# Altium PCB Digitalizador_RPi.PcbDoc (part 2 of 3)
Units mm, origin at the board's own origin, x right, y up, seen from the top; angles counter-clockwise.
Board outline 147 x 95 mm, 2 copper layers (Top Layer, Bottom Layer); 227 components, 173 nets, 747 pads, 172 vias.
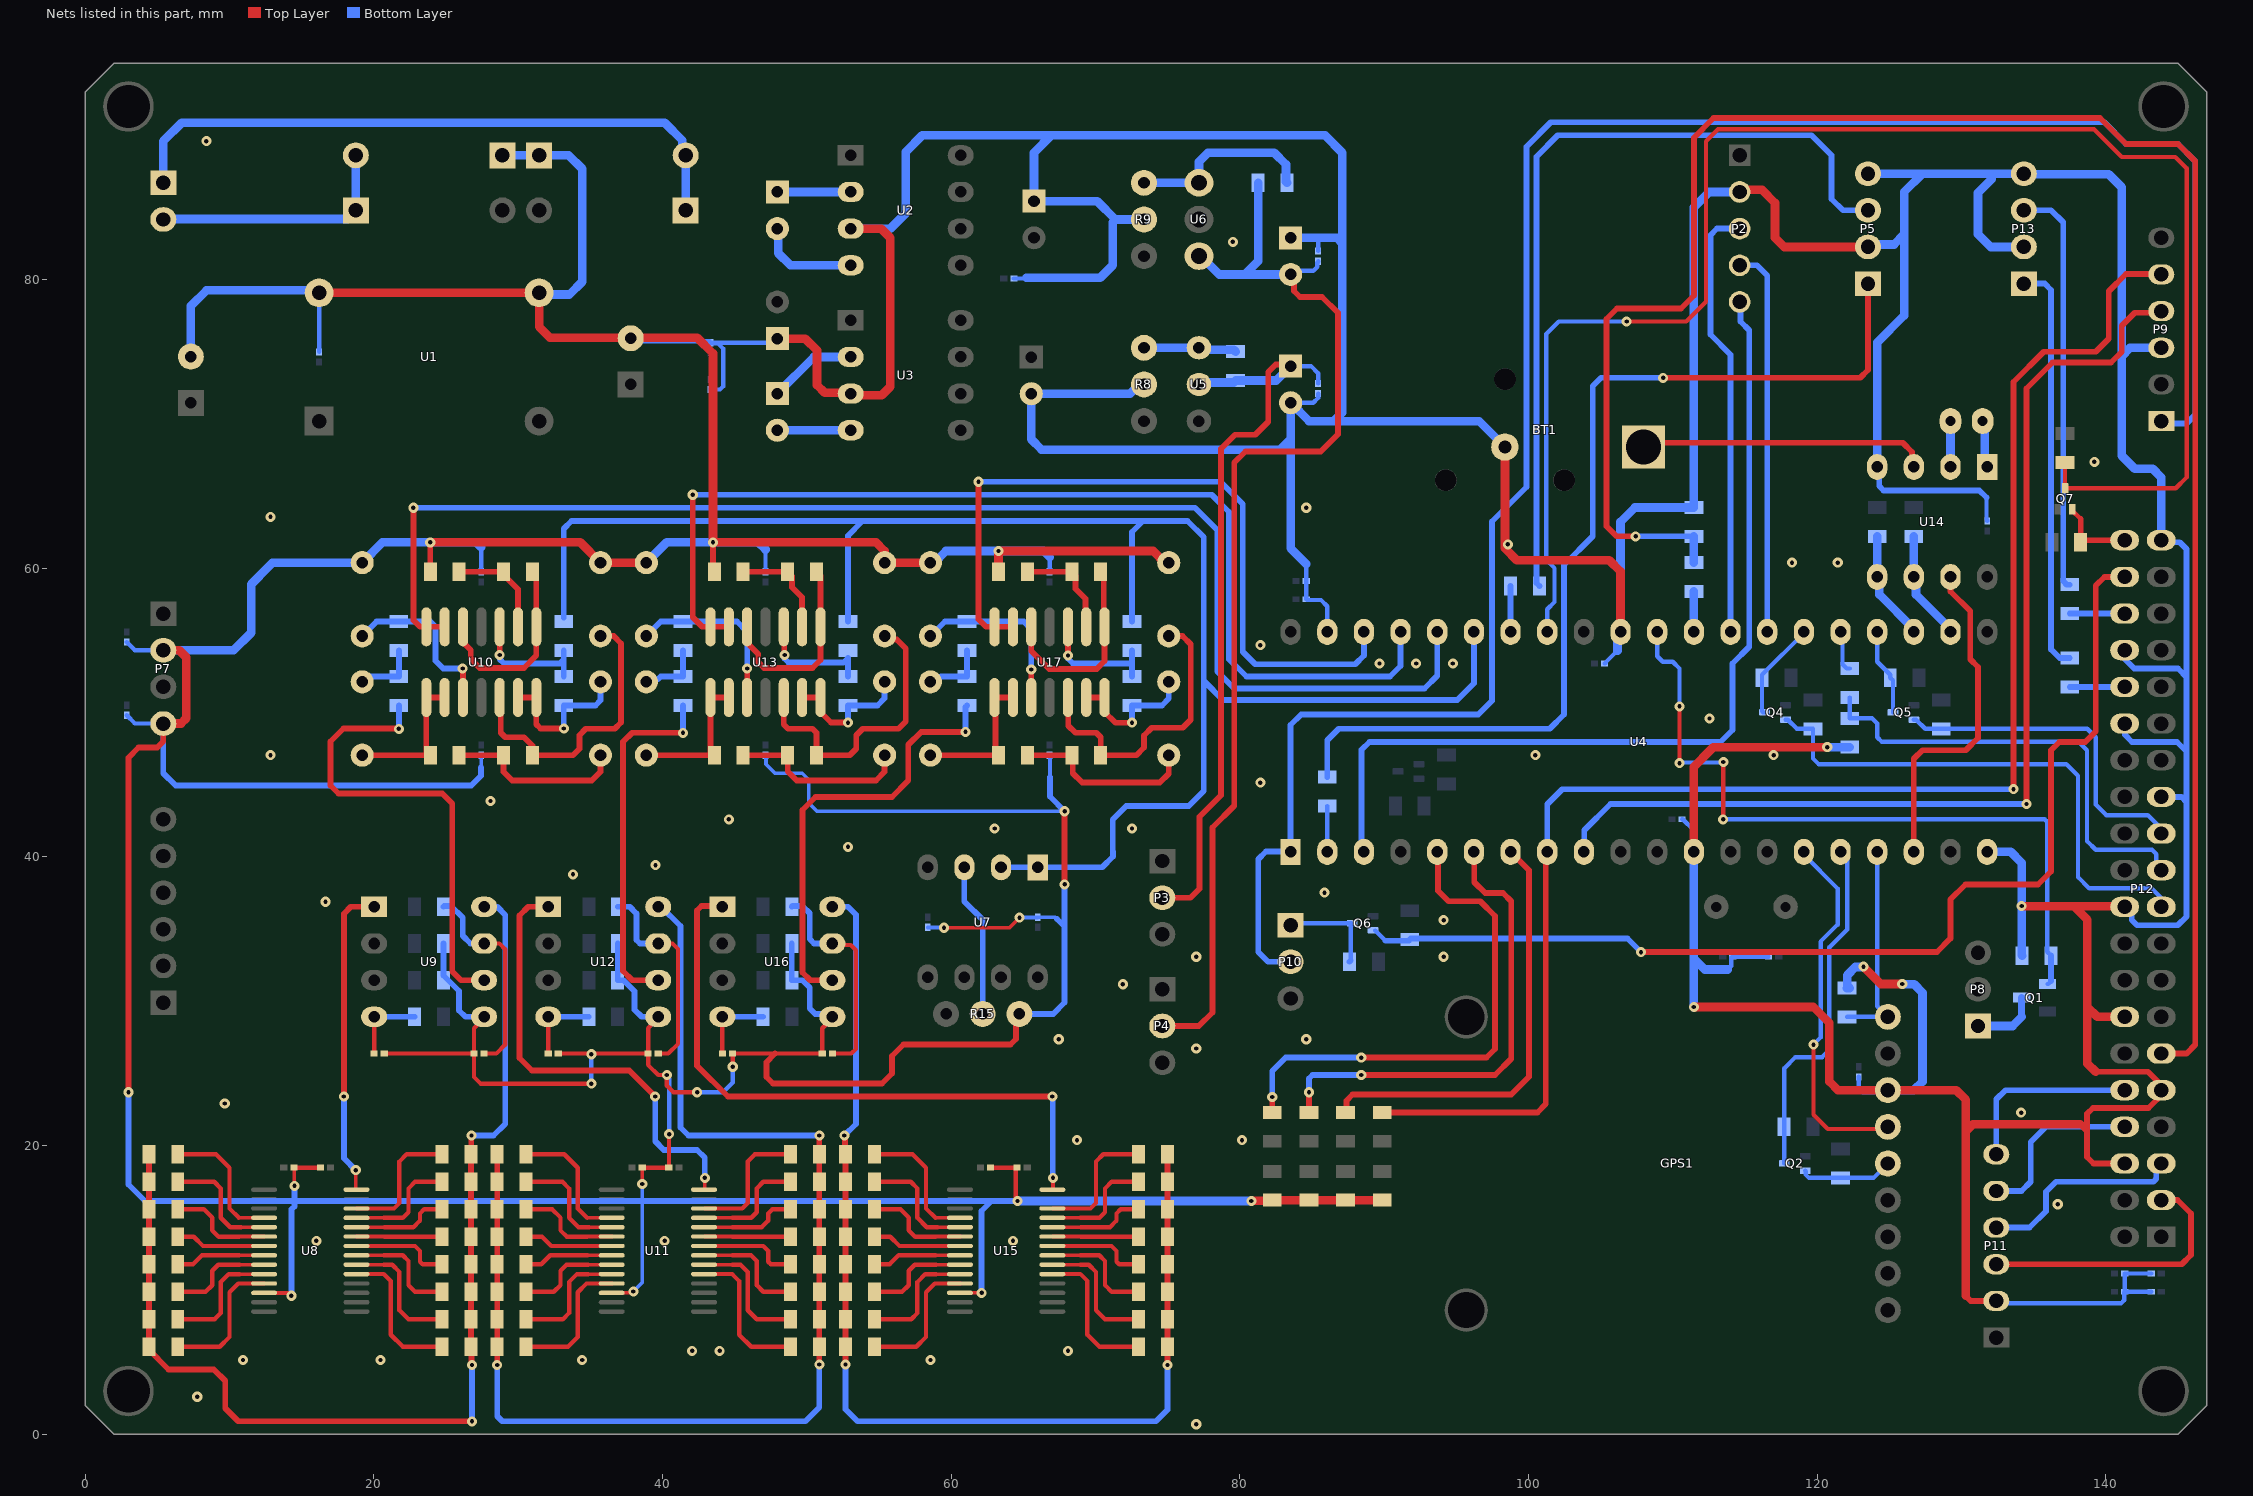
[diagram p2: the nets of this part, all layers, seen from the top]

## Via types
v1: diameter 0.7, hole 0.3, Top Layer to Bottom Layer, 172 vias

## Nets (pads, with @x,y where several pads share a name; then routed paths per layer and width w, separated by ;. In a path a pad name is that pad's centre, name@x,y a point inside that pad or via, vN(x,y) a via of type N, cw(c..) or ccw(c..) an arc to the next point about the centre after c; other vN are vias at no path point) (continued)
GND: BT1.1 C1.1 C2.2 C3.2 C4.2 C5.2 C6.1 C7.1 C8.1 C11.2 C12.1 C13.1 C14.1 C15.1 C16.2 C17.2 C18.1 C19.1 C20.1 C21.1 C22.1 C23.1 C24.1 C25.1 C28.1 C29.2 C30.2 C31.1 C32.1 C33.1 C34.1 C35.1 C36.1 C39.1 C40.1 C41.2 C42.2 C43.1 C44.1 C45.1 C46.1 C47.1 C48.1 C49.1 C50.1 C51.1 C54.1 C55.2 C56.2 C57.1 C58.1 C59.1 C60.1 C61.1 D1.1 D3.1 GPS1.2 P2.2 P5.2 P5.4 P7.2 P7.4 P9.3 P11.2 P12.6 P12.9 P12.14 P12.20 P12.25 P12.30 P12.34 P12.39 P13.2 P13.4 R8.3 R9.3 R11.1 R12.1 R13.1 R14.1 R15.2 R18.1 R19.1 R23.1 R26.1 R33.2 R48.2 R56.1 R65.2 R78.2 R90.1 R103.2 R116.2 R119.1 U1.2 U1.4 U2.3 U3.3 U4.12 U4.20 U4.31 U4.39 U8.12 U9.5 U11.12 U12.5 U14.4 U15.12 U16.5 | length 1129.9
  Top Layer w0.254: U8.12@12.4,9.8 12.409,9.791 14.099,9.791 v1(14.29,9.6) ; C32.1@14.465,18.48 14.482,18.463 14.482,17.232 v1(14.5,17.215) ; U11.12@36.48,9.8 36.482,9.802 v1@37.761,9.802 ; v1(38.595,17.345) C44.1@38.595,18.48 ; v1(59.51,35.1) 64.045,35.1 v1(64.74,35.795) ; U15.12@60.61,9.8 v1(62.11,9.8)
  Top Layer w0.3: C32.1@14.465,18.48 C33.1@16.255,18.48 ; C34.1@20.72,26.385 C35.1@26.94,26.385 ; U9.5@27.64,28.925 27.64,28.827 26.94,28.127 C35.1@26.94,26.385 ; v1(35.07,24.3) 27.4,24.3 26.94,24.76 C35.1@26.94,26.385 ; C44.1@38.595,18.48 C45.1@40.435,18.48 40.447,18.493 40.447,20.787 v1(40.46,20.8) ; U12.5@39.705,28.925 39.705,28.827 39.005,28.127 C47.1@39.005,26.385 ; v1(42.4,23.7) 40.76,23.7 40.3,24.16 v1(40.3,24.9) 39.7,24.9 39.005,25.595 C47.1@39.005,26.385 ; v1(44.87,25.465) 44.86,25.475 44.86,26.375 C60.1@44.85,26.385 47.8,26.385 C61.1@51.07,26.385 51.07,28.127 51.77,28.827 U16.5@51.77,28.925 ; C58.1@62.725,18.48 C59.1@64.534,18.48 ; v1@64.484,16.389 64.484,18.43 C59.1@64.534,18.48 ; C59.1@64.565,18.48 C59.1@64.534,18.48 ; C47.1@39.005,26.385 C46.1@32.785,26.385 C47.1@39.005,26.385
  Top Layer w0.4: v1(3,23.7) 3,46.88 3.7,47.58 4.995,47.58 5.415,48 P7.4@5.415,49.245 P7.4@5.365,49.245 ; R48.2@23.91,59.755 v1(23.91,61.8) ; v1(43.5,61.8) 43.5,59.85 R78.2@43.595,59.755 ; 47.8,26.385 47.2,25.785 47.2,24.765 47.665,24.3 55.2,24.3 55.9,25 55.9,26.21 56.69,27 64.115,27 64.495,27.38 R15.2@64.495,28.895 ; v1(67.86,38.1) v1(67.86,43.17) ; 130.3,9.59 130.65,9.24 P11.2@132.415,9.24 ; 138.22,21.485 138.705,21 ; 139.3,25.115 142.93,25.115 143.845,24.2 P12.9@143.845,23.845 ; P12.6@141.305,18.765 139.15,18.765 138.705,19.21 138.705,21 ; 138.705,21 138.705,22.205 139.107,22.608 142.953,22.608 P12.9@143.545,23.2 ; P12.9@143.545,23.2 P12.9@143.545,23.845 ; P12.9@143.545,23.2 P12.9@143.545,23.845 ; P12.9@143.545,23.2 P12.9@143.545,23.845
  Top Layer w0.6: P7.2@5.415,54.325 6.512,54.325 7,53.837 7,49.61 6.635,49.245 P7.4@6.255,49.245 ; U1.2@16.21,79.09 U1.4@31.45,79.09 31.45,76.73 32.2,75.98 37.76,75.98 C5.2@37.8,75.94 37.84,75.98 42.4,75.98 43.5,74.88 v1(43.5,61.8) 54.79,61.8 55.39,61.2 C42.2@55.39,60.39 C55.2@58.565,60.39 ; v1(23.91,61.8) 34.295,61.8 C30.2@35.705,60.39 C41.2@38.88,60.39 ; C1.1@47.96,75.915 49.9,75.915 50.71,75.105 50.71,72.705 51.25,72.165 52.98,72.165 U3.3@53.04,72.105 53.145,72 55.2,72 55.785,72.585 55.785,82.9 55.15,83.535 U2.3@53.04,83.535 ; R116.2@63.28,59.755 v1(63.28,61.2) 73.994,61.2 74.804,60.39 C56.2@75.075,60.39 C56.2@75.146,60.319 ; R15.2@64.495,28.895 R15.2@64.725,29.125 ; v1(80.8,16.165) 80.819,16.184 82.209,16.184 R14.1@82.25,16.225 R13.1@84.79,16.225 R12.1@87.33,16.225 R11.1@89.87,16.225 ; BT1.1@98.368,68.405 98.368,61.388 99.192,60.565 105.593,60.565 106.38,59.778 U4.31@106.38,55.595 ; v1(111.46,29.61) 119.74,29.61 120.85,28.5 120.85,24.44 121.445,23.845 GPS1.2@124.9,23.845 129.645,23.845 130.3,23.19 130.3,21 ; U4.12@111.46,40.355 111.46,46.26 112.6,47.4 112.81,47.61 v1(120.7,47.61) ; P2.2@114.635,86.075 114.787,86.227 116.175,86.227 117.085,85.317 117.085,82.896 117.716,82.265 P5.2@123.525,82.265 ; v1(123.21,32.4) 124.41,31.2 v1(125.9,31.2) ; 130.3,9.59 130.3,21 ; v1(134.165,36.6) 134.184,36.581 137.8,36.581 ; 138.22,21.485 130.785,21.485 130.3,21 ; 139.3,25.115 138.72,25.695 138.72,29.61 ; P12.14@141.305,28.925 139.405,28.925 138.72,29.61 ; P12.20@141.305,36.545 141.269,36.581 137.8,36.581 ; P12.25@143.845,44.165 P12.25@143.91,44.1 ; 137.8,36.581 138.72,35.661 138.72,29.61
  Bottom Layer w0.254: 27.43,46.2 27.45,46.22 C31.1@27.45,47.055 ; v1(37.98,9.9) 38.595,10.515 38.595,16.165 v1(38.595,17.345) ; C43.1@47.135,47.055 47.176,47.014 47.176,46.424 47.795,45.805 49.675,45.805 50.14,45.34 50.14,43.735 50.705,43.17 v1(67.86,43.17) ; C24.1@58.375,35.125 58.387,35.112 59.498,35.112 v1(59.51,35.1) ; v1(64.74,35.795) 64.755,35.81 65.98,35.81 C25.1@65.995,35.825 67.21,35.825 67.335,35.7 ; C57.1@66.82,47.055 66.847,47.028 66.847,45.53
  Bottom Layer w0.3: C19.1@2.875,49.815 3.445,49.245 P7.4@5.415,49.245 ; C18.1@2.875,54.895 3.445,54.325 P7.2@5.415,54.325 ; C6.1@16.21,74.995 U1.2@16.21,79.09 ; C28.1@27.45,59.755 27.45,61.45 ; v1(35.07,24.3) v1(35.07,26.335) ; C5.2@37.8,75.94 38.01,75.73 43.275,75.73 43.325,75.68 C7.1@43.325,75.63 ; v1(40.3,24.9) 40.3,24.792 40.46,24.632 v1(40.46,20.8) ; v1(42.4,23.7) 44.2,23.7 44.87,24.37 v1(44.87,25.465) ; C8.1@43.325,72.39 43.987,72.39 44.2,72.603 44.2,75.23 43.85,75.58 ; C39.1@47.135,59.755 47.135,61.3 ; C1.1@47.96,75.915 47.675,75.63 C7.1@43.325,75.63 ; C2.2@64.345,80.075 65.15,80.075 65.2,80.125 ; C54.1@66.82,59.755 66.832,59.767 66.832,60.776 ; C17.2@83.52,71.47 85.094,71.47 85.425,71.801 C20.1@85.425,72.105 ; 84.6,60.3 C12.1@84.6,59.12 C13.1@84.6,57.85 84.65,57.8 85.628,57.8 86.06,57.368 U4.39@86.06,55.595 ; 85.16,82.9 85.425,82.635 C23.1@85.425,81.98 ; C15.1@105.27,53.405 105.32,53.405 105.37,53.455 105.37,53.505 106.17,54.305 ; U4.31@106.17,55.385 U4.31@106.38,55.595 ; C14.1@110.635,42.61 110.685,42.61 111.46,41.835 U4.12@111.46,40.355 ; 113.809,32.2 114.06,32.451 114.06,33.035 114.11,33.085 C3.2@114.16,33.085 C11.2@116.635,33.085 ; C36.1@122.89,24.765 122.89,23.95 123.14,23.7 124.755,23.7 GPS1.2@124.9,23.845 ; U14.4@124.16,67.025 U14.4@124.3,66.885 ; 131.73,64.9 131.73,63.38 131.78,63.33 C40.1@131.78,63.28 ; P11.2@132.415,9.24 132.585,9.07 141.05,9.07 141.28,9.3 141.28,9.85 C50.1@141.305,9.875 ; C49.1@143.145,9.875 C50.1@141.305,9.875 ; C48.1@143.145,11.145 C51.1@141.305,11.145 C50.1@141.305,9.875 ; C7.1@43.325,75.58 43.85,75.58 ; C7.1@43.325,75.58 43.85,75.58 ; C7.1@43.325,75.58 43.85,75.58 ; C7.1@43.325,75.58 C7.1@43.325,75.63
  Bottom Layer w0.4: v1(3,23.7) 3,17.315 4.15,16.165 14.5,16.165 ; P7.4@5.415,49.245 5.415,45.805 6.275,44.945 26.751,44.945 27.43,45.624 27.43,46.2 ; v1(14.29,9.6) 14.3,9.61 14.3,15.59 14.5,15.79 14.5,16.165 ; v1(14.5,17.215) 14.5,16.165 ; R23.1@24.83,34.005 R33.2@24.83,31.795 ; U9.5@27.64,28.925 26.355,28.925 25.91,29.37 25.91,30.715 ; R56.1@36.895,34.005 R65.2@36.895,31.465 37.305,31.465 38.07,30.7 38.07,29.416 38.561,28.925 U12.5@39.705,28.925 ; R90.1@48.96,34.005 R103.2@48.96,31.465 49.7,31.465 50.2,30.965 50.2,29.5 50.584,29.116 51.579,29.116 U16.5@51.77,28.925 ; v1(62.11,9.8) 62.11,15.475 62.8,16.165 ; v1(64.6,16.165) 62.8,16.165 ; R15.2@64.725,29.125 67.075,29.125 67.86,29.91 67.86,35.175 ; 66.847,45.53 66.847,44.183 v1(67.86,43.17) ; 67.335,35.7 67.86,35.175 ; v1(67.86,38.1) 67.86,35.175 ; U14.4@124.3,66.885 124.3,65.7 124.6,65.4 131.23,65.4 131.73,64.9 ; P12.20@141.305,36.545 141.334,36.545 141.796,36.083 141.796,35.634 142.156,35.275 144.99,35.275 145.6,35.885 145.6,43.8 ; P12.30@141.305,49.245 P12.30@141.334,49.245 ; P12.34@141.305,54.325 P12.34@141.334,54.325 ; P12.25@143.845,44.165 145.235,44.165 145.6,43.8 ; P12.39@143.845,61.945 143.99,61.8 145.115,61.8 145.6,61.315 145.6,52.46 ; 14.5,16.165 38.595,16.165 62.8,16.165 ; R33.2@24.83,31.795 25.91,30.715 ; R33.2@24.83,31.795 25.91,30.715 ; R33.2@24.83,31.795 25.91,30.715 ; 141.334,48.462 P12.30@141.334,49.245 ; 141.334,48.462 P12.30@141.334,49.245 ; 141.334,48.462 P12.30@141.334,49.245 ; 141.334,48.462 141.821,47.975 144.935,47.975 145.6,47.31 ; P12.34@141.334,53.701 P12.34@141.334,54.325 ; P12.34@141.334,53.701 P12.34@141.334,54.325 ; P12.34@141.334,53.701 P12.34@141.334,54.325 ; P12.34@141.334,53.701 141.975,53.06 145,53.06 145.6,52.46 ; 145.6,43.8 145.6,47.31 ; 145.6,47.31 145.6,52.46
  Bottom Layer w0.6: P7.2@5.415,54.325 10.28,54.325 11.5,55.545 11.5,58.905 12.7,60.105 12.985,60.39 C29.2@19.195,60.39 20.605,61.8 v1(23.91,61.8) 27.1,61.8 27.45,61.45 ; C4.2@7.32,74.67 7.32,78.176 8.4,79.256 16.044,79.256 U1.2@16.21,79.09 ; D3.1@28.91,88.615 D1.1@31.45,88.615 33.495,88.615 34.435,87.675 34.435,79.856 33.55,78.971 31.569,78.971 U1.4@31.45,79.09 ; C41.2@38.88,60.39 40.29,61.8 v1(43.5,61.8) 46.635,61.8 47.135,61.3 ; U2.3@53.04,83.535 55.785,83.535 56.85,84.6 56.85,88.85 58,90 66.895,90 ; C55.2@58.565,60.39 58.835,60.39 59.645,61.2 v1(63.28,61.2) 66.408,61.2 66.832,60.776 ; v1(64.6,16.165) v1(80.8,16.165) ; 65.2,80.125 70.33,80.125 71.2,80.995 71.2,83.986 71.384,84.17 ; R8.3@73.36,72.74 73.035,72.74 72.39,72.095 C16.2@65.55,72.095 65.55,68.94 66.265,68.225 82.798,68.225 83.52,68.947 ; R9.3@73.36,84.17 71.384,84.17 ; C22.1@83.52,82.9 85.16,82.9 85.425,82.9 86.732,82.9 87.1,82.532 ; 84.6,60.3 83.52,61.38 83.52,68.947 ; BT1.1@98.368,68.405 96.573,70.2 86.5,70.2 ; 106.17,54.305 U4.31@106.17,55.385 ; U4.31@106.38,55.595 106.38,63.212 107.383,64.215 R18.1@111.46,64.215 111.46,70.44 111.46,85.011 112.524,86.075 P2.2@114.635,86.075 ; v1(111.46,29.61) 111.46,32.95 ; U4.12@111.46,40.355 111.46,32.95 ; 113.809,32.2 112.21,32.2 111.46,32.95 ; v1(120.7,47.61) R19.1@122.255,47.61 ; R119.1@122.065,30.91 R119.1@122.265,30.91 ; v1(123.21,32.4) 123.191,32.381 122.646,32.381 122.08,31.815 R119.1@122.08,31.095 ; P5.2@123.525,82.265 123.701,82.441 125.325,82.441 126.025,83.141 ; U14.4@124.16,67.025 124.16,75.653 126.025,77.518 126.025,83.141 ; GPS1.2@124.9,23.845 124.905,23.85 126.7,23.85 127.3,24.45 127.3,30.6 126.719,31.181 125.919,31.181 v1(125.9,31.2) ; 127.3,87.345 126.025,86.07 126.025,83.141 ; U4.20@131.78,40.355 133.41,40.355 134.165,39.6 v1(134.165,36.6) 134.165,33.21 R26.1@134.21,33.165 ; P13.2@134.32,82.265 132.021,82.265 131.145,83.141 131.145,86.02 132.1,86.975 132.1,87.345 ; P12.25@143.845,44.165 P12.25@143.91,44.1 ; P12.39@143.845,61.945 143.845,66.3 143.245,66.9 142,66.9 141.1,67.8 141.1,74.7 ; P9.3@143.866,75.259 P9.3@143.845,75.28 141.68,75.28 141.1,74.7 ; 71.384,84.17 70.114,85.44 C21.1@65.74,85.44 65.74,88.8 66.94,90 85.9,90 87.1,88.8 87.1,82.532 ; 83.52,68.947 C17.2@83.52,71.47 84.79,70.2 86.5,70.2 ; 86.5,70.2 87.1,70.8 87.1,82.532 ; R119.1@122.08,31.095 R119.1@122.265,30.91 ; R119.1@122.08,31.095 R119.1@122.265,30.91 ; R119.1@122.08,31.095 R119.1@122.265,30.91 ; P5.4@123.525,87.345 132.1,87.345 ; P5.4@123.525,87.345 132.1,87.345 ; P5.4@123.525,87.345 132.1,87.345 ; 132.1,87.345 P13.4@134.32,87.345 134.365,87.3 140.2,87.3 141.1,86.4 141.1,74.7
  other v1: 76.98,0.7 7.765,2.605 10.94,5.145 20.465,5.145 34.435,5.145 58.565,5.145 42.055,5.78 43.96,5.78 68.09,5.78 16.02,13.4 40.15,13.4 64.28,13.4 136.67,15.94 68.725,20.385 80.155,20.385 134.13,22.29 9.67,22.925 76.98,26.735 67.455,27.37 84.6,27.37 71.9,31.18 76.98,33.085 94.125,33.085 94.125,35.625 16.655,36.895 85.87,37.53 33.8,38.8 39.515,39.435 52.85,40.705 63.01,41.975 72.535,41.975 44.595,42.61 28.085,43.88 81.425,45.15 12.845,47.055 100.475,47.055 116.985,47.055 112.54,49.595 89.68,53.405 92.22,53.405 94.76,53.405 81.425,54.675 118.255,60.39 121.43,60.39 98.57,61.66 12.845,63.565 84.6,64.2 139.21,67.375 79.52,82.615 8.4,89.6
INreloj: U4.18 U14.7 | length 23.4
  Top Layer w0.4: U4.18@126.7,40.355 126.7,46.8 127.3,47.4 130.3,47.4 131.145,48.245 131.145,53.161 130.6,53.705 130.6,57.042 129.24,58.402 U14.7@129.24,59.405
INT_FROM_PIC: P12.11 R16.1 R18.2 | length 140.6
  Top Layer w0.4: v1(107.421,62.215) 106.102,62.215 105.402,62.915 105.402,77.276 106.126,78 110.56,78 111.46,78.9 111.46,89.836 112.824,91.2 139.6,91.2 141.4,89.4 145,89.4 146.2,88.2 146.2,26.985 145.6,26.385 P12.11@143.845,26.385
  Bottom Layer w0.4: v1(107.421,62.215) R18.2@111.46,62.215
  Bottom Layer w0.6: R16.1@111.46,60.395 R18.2@111.46,62.215
LED_PIC_1: P5.1 R1.1 | length 68.8
  Top Layer w0.4: v1(109.326,73.2) 122.985,73.2 123.525,73.74 P5.1@123.525,79.725
  Bottom Layer w0.4: R1.1@86.06,45.53 86.06,48.09 86.85,48.88 101.48,48.88 102.468,49.868 102.468,60.234 104.45,62.215 104.45,72.628 105.021,73.2 v1(109.326,73.2)
LED_PIC_2: P5.3 R10.1 | length 57.3
  Bottom Layer w0.4: R10.1@100.76,58.77 100.551,58.979 100.551,88.516 102.035,90 119.615,90 121,88.615 121,85.591 121.785,84.805 P5.3@123.525,84.805
LED_RPi_1: P13.1 R117.1 | length 28.5
  Bottom Layer w0.4: P13.1@134.32,79.725 135.775,79.725 136.21,79.29 136.21,54.385 136.81,53.785 R117.1@137.495,53.785
LED_RPi_2: P13.3 R118.1 | length 28.5
  Bottom Layer w0.4: P13.3@134.32,84.805 136.21,84.805 137.045,83.97 137.045,59.115 137.295,58.865 R118.1@137.495,58.865
MCLR: P9.1 P10.2 U4.1 | length 142.9
  Bottom Layer w0.4: P10.2@83.52,32.735 81.948,32.735 81.273,33.41 81.273,39.843 81.815,40.385 83.29,40.385 83.52,40.155 U4.1@83.52,40.355 83.52,49.138 84.25,49.868 96.523,49.868 97.477,50.822 97.477,63.248 99.865,65.636 99.865,89.215 101.55,90.9 139.9,90.9 141.4,89.4 145,89.4 146.2,88.2 146.2,70.641 145.6,70.041 144.004,70.041 P9.1@143.845,70.2
MISO_3.3V: P12.21 R17.1 R19.2 | length 32.1
  Bottom Layer w0.3: R17.1@122.255,51.055 R19.2@122.255,49.61 123.795,49.61 124.16,49.245 124.16,48.3 124.485,47.975 138.125,47.975 138.7,47.4 138.7,41.1 139.3,40.5 143.2,40.5 143.5,40.2 143.5,39.43 P12.21@143.845,39.085
MOSI_3.3V: P12.19 Q4.2 R83.1 | length 37.1
  Bottom Layer w0.3: Q4.2@117.81,49.515 117.96,49.515 118.595,48.88 R83.1@119.715,48.88 119.715,46.82 120.1,46.435 137.26,46.435 138.07,45.625 138.07,38.605 138.842,37.833 143.167,37.833 143.845,37.155 P12.19@143.845,36.545
MOSI_5V: Q4.3 R84.1 U4.26 | length 6.9
  Bottom Layer w0.3: Q4.3@116.36,50.015 116.25,50.015 116.175,50.09 R84.1@116.175,52.42 116.175,52.62 119.08,55.525 U4.26@119.08,55.595
NetBT1_0: BT1.0 U14.3 | length 20.1
  Top Layer w0.4: BT1.0@107.968,68.405 108.263,68.7 125.935,68.7 126.579,68.056 126.579,67.146 U14.3@126.7,67.025
NetC9_1: C9.1 U2.2 | length 5.1
  Bottom Layer w0.6: C9.1@47.96,86.075 U2.2@53.04,86.075
NetC9_2: C9.2 U2.4 | length 7.1
  Bottom Layer w0.6: C9.2@47.96,83.535 48.025,83.47 48.025,81.835 48.865,80.995 U2.4@53.04,80.995
NetC10_1: C10.1 U3.2 | length 6.1
  Bottom Layer w0.6: C10.1@47.96,72.105 50.5,74.645 U3.2@53.04,74.645
NetC10_2: C10.2 U3.4 | length 5.1
  Bottom Layer w0.6: C10.2@47.96,69.565 U3.4@53.04,69.565
NetC17_1: C17.1 C20.2 P3.2 R6.2 U5.3 | length 52.9
  Top Layer w0.4: P3.2@74.63,37.18 76.58,37.18 77.2,37.8 77.2,42.78 78.7,44.28 78.7,68.29 79.658,69.247 81.065,69.247 81.973,70.156 81.973,73.598 82.494,74.119 83.411,74.119 C17.1@83.52,74.01
  Bottom Layer w0.3: C17.1@83.52,74.01 84.93,74.01 85.425,73.515 C20.2@85.425,72.805
  Bottom Layer w0.6: U5.3@77.17,72.74 77.305,72.875 79.575,72.875 R6.2@79.71,73.01 82.52,73.01 C17.1@83.52,74.01
NetC22_2: C22.2 C23.2 P4.2 R7.2 U6.2 | length 80
  Top Layer w0.4: P4.2@74.63,28.29 77.16,28.29 78.1,29.23 78.1,42.04 79.615,43.555 79.615,67.33 80.385,68.1 85.61,68.1 86.8,69.29 86.8,77.7 85.695,78.805 84.168,78.805 83.75,79.223 83.75,80.13 C22.2@83.52,80.36
  Bottom Layer w0.3: C22.2@83.52,80.36 83.769,80.609 85.094,80.609 85.375,80.89 85.375,81.18 85.425,81.23 C23.2@85.425,81.28
  Bottom Layer w0.6: U6.2@77.17,81.63 77.296,81.63 78.566,80.36 80.345,80.36 ; R7.2@81.273,86.71 81.273,81.288 80.345,80.36 ; C22.2@83.52,80.36 80.345,80.36
NetC26_1: C26.1 R35.1 U10.1 U10.2 | length 10.4
  Top Layer w0.4: C26.1@18.843,47.055 C26.1@19.195,47.055 R35.1@23.91,47.055 23.64,47.325 U10.1@23.64,51.045 U10.2@24.91,51.045
NetC26_2: C26.2 R31.2 R32.1 | length 4.5
  Bottom Layer w0.4: C26.2@19.195,52.135 19.56,52.5 R31.2@21.735,52.5 R32.1@21.735,54.31
NetC27_1: C27.1 R38.1 U10.6 U10.7 | length 10.7
  Top Layer w0.4: U10.6@29.99,51.045 U10.7@31.26,51.045 31.26,49.197 31.557,48.9 v1(33.165,48.9)
  Bottom Layer w0.4: v1(33.165,48.9) R38.1@33.165,50.5 35.35,50.5 35.705,50.855 C27.1@35.705,52.135
NetC27_2: C27.2 R35.2 R36.1 | length 12.7
  Top Layer w0.4: R35.2@25.91,47.055 R36.1@28.99,47.055 28.99,45.9 29.59,45.3 35.105,45.3 35.705,45.9 C27.2@35.705,47.055
  Bottom Layer w0.4: C27.2@35.635,46.985 C27.2@35.705,47.055
NetC29_1: C29.1 R32.2 U10.3 | length 12.1
  Top Layer w0.4: v1(26.156,53.055) 26.18,53.031 U10.3@26.18,51.045
  Bottom Layer w0.4: C29.1@19.195,55.31 20.195,56.31 R32.2@21.735,56.31 23.91,56.31 24.275,55.945 24.275,53.59 24.81,53.055 v1(26.156,53.055)
NetC30_1: C30.1 R36.2 U10.5 | length 20.4
  Top Layer w0.4: U10.5@28.72,51.045 28.797,50.968 28.797,48.608 29.105,48.3 30.4,48.3 30.99,47.71 R36.2@30.99,47.055 33.805,47.055 34.245,47.495 34.245,48.44 34.685,48.88 36.7,48.88 37.131,49.311 37.131,54.799 36.62,55.31 C30.1@35.705,55.31
NetC34_2: C34.2 R45.2 U9.4 | length 5.4
  Top Layer w0.3: C34.2@20.02,26.385 U9.4@20.02,28.925
  Bottom Layer w0.4: U9.4@20.02,28.925 R45.2@22.83,28.925
NetC35_2: C35.2 R46.2 U9.7 | length 14.6
  Top Layer w0.3: C35.2@27.64,26.385 28.49,26.385 29.105,27 29.105,33.6 28.7,34.005 U9.7@27.64,34.005
  Bottom Layer w0.3: 26.695,34.005 U9.7@27.64,34.005
  Bottom Layer w0.4: R46.2@24.83,36.545 24.885,36.6 25.355,36.6 26.156,35.799 26.156,34.544 26.695,34.005
NetC37_1: C37.1 R66.1 U13.1 U13.2 | length 10.1
  Top Layer w0.4: C37.1@38.88,47.055 R66.1@43.595,47.055 43.325,47.325 U13.1@43.325,51.045 U13.2@44.595,51.045
NetC37_2: C37.2 R62.2 R63.1 | length 4.5
  Bottom Layer w0.4: C37.2@38.88,52.135 39.055,52.31 39.69,52.31 39.88,52.5 R62.2@41.42,52.5 R63.1@41.42,54.31
NetC38_1: C38.1 R69.1 U13.6 U13.7 | length 9.6
  Top Layer w0.4: U13.6@49.675,51.045 U13.7@50.945,51.045 50.945,50.045 51.679,49.311 v1(52.85,49.311)
  Bottom Layer w0.4: v1(52.85,49.311) R69.1@52.85,50.5 54.89,50.5 55.39,51 C38.1@55.39,52.135
NetC38_2: C38.2 R66.2 R67.1 | length 12.6
  Top Layer w0.4: R66.2@45.595,47.055 R67.1@48.675,47.055 48.675,45.925 49.3,45.3 54.79,45.3 55.39,45.9 C38.2@55.39,47.055
NetC41_1: C41.1 R63.2 U13.3 | length 12.3
  Top Layer w0.4: U13.3@45.865,51.045 v1(45.865,53.055)
  Bottom Layer w0.4: C41.1@38.88,55.31 39.88,56.31 R63.2@41.42,56.31 45.165,56.31 45.865,55.61 v1(45.865,53.055)
NetC42_1: C42.1 R67.2 U13.5 | length 20.5
  Top Layer w0.4: U13.5@48.405,51.045 48.405,49.175 48.7,48.88 50.395,48.88 50.675,48.6 R67.2@50.675,47.055 52.98,47.055 53.425,47.5 53.425,48.433 53.872,48.88 56.35,48.88 56.85,49.38 56.85,54.449 56.238,55.061 55.639,55.061 C42.1@55.39,55.31
NetC46_2: C46.2 R75.2 U12.4 | length 5.4
  Top Layer w0.3: C46.2@32.085,26.385 U12.4@32.085,28.925
  Bottom Layer w0.4: U12.4@32.085,28.925 R75.2@34.895,28.925
NetC47_2: C47.2 R76.2 U12.7 | length 15
  Top Layer w0.3: U12.7@39.495,33.795 U12.7@39.705,34.005 40.69,34.005 41.07,33.625 41.07,27.05 40.405,26.385 C47.2@39.705,26.385
  Bottom Layer w0.4: R76.2@36.895,36.545 37.73,36.545 38.2,36.075 38.2,34.245 38.44,34.005 U12.7@39.705,34.005